# KiCad board totem_0_3.kicad_pcb
title: TOTEM split keyboard; date: 2022-11-03; rev: 0.3; note: Made by GEIST
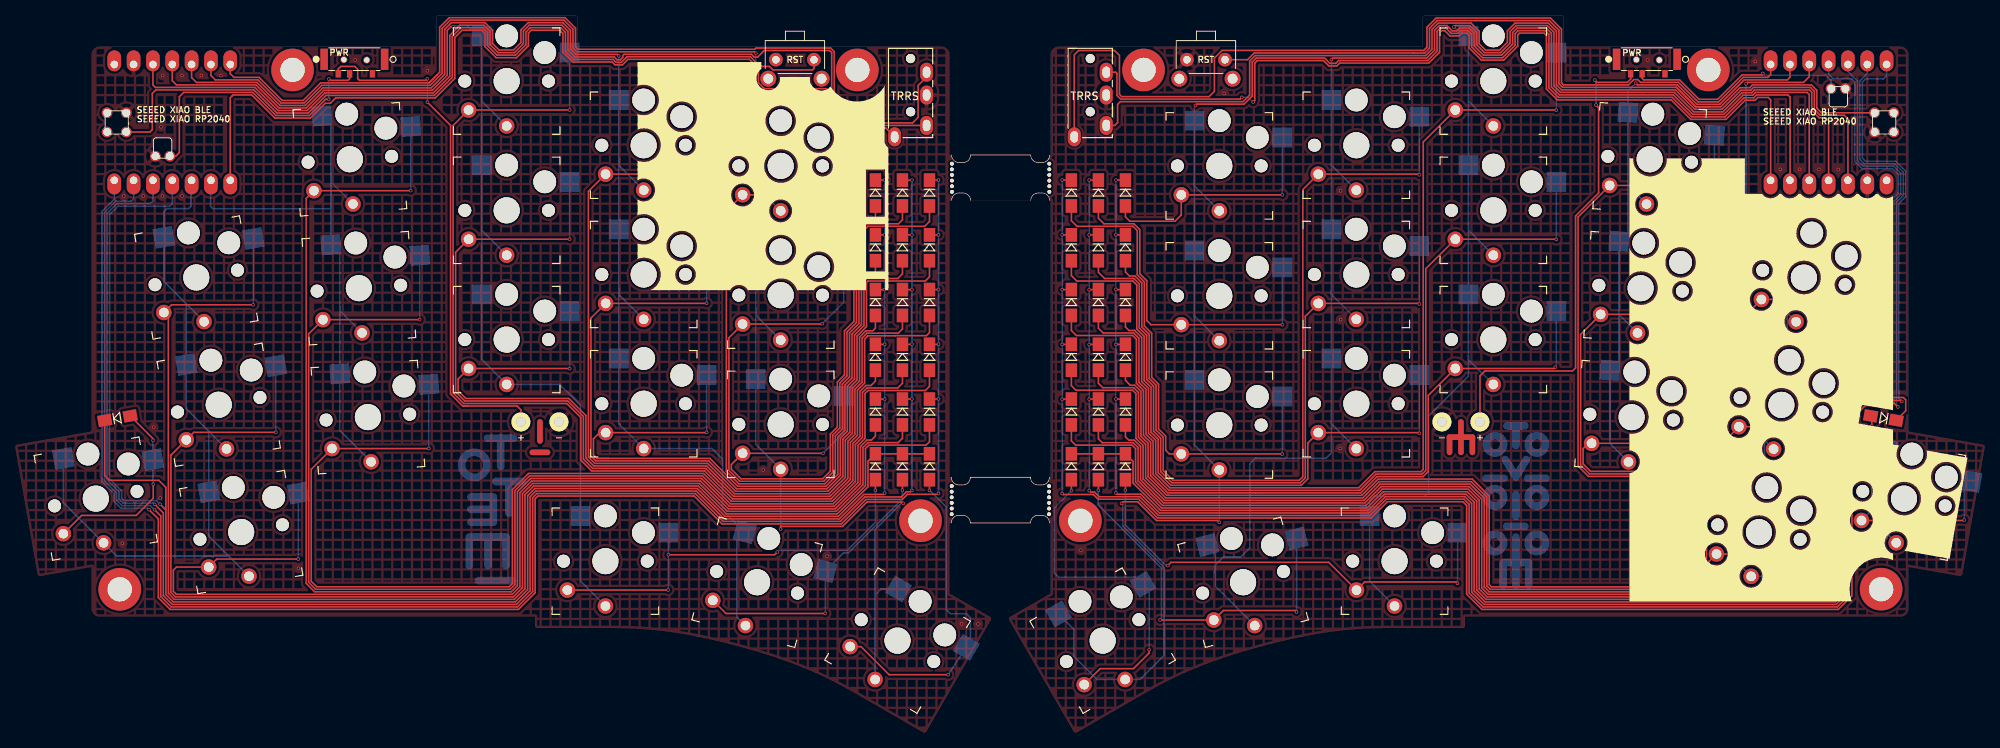
[diagram p0: board, top side]
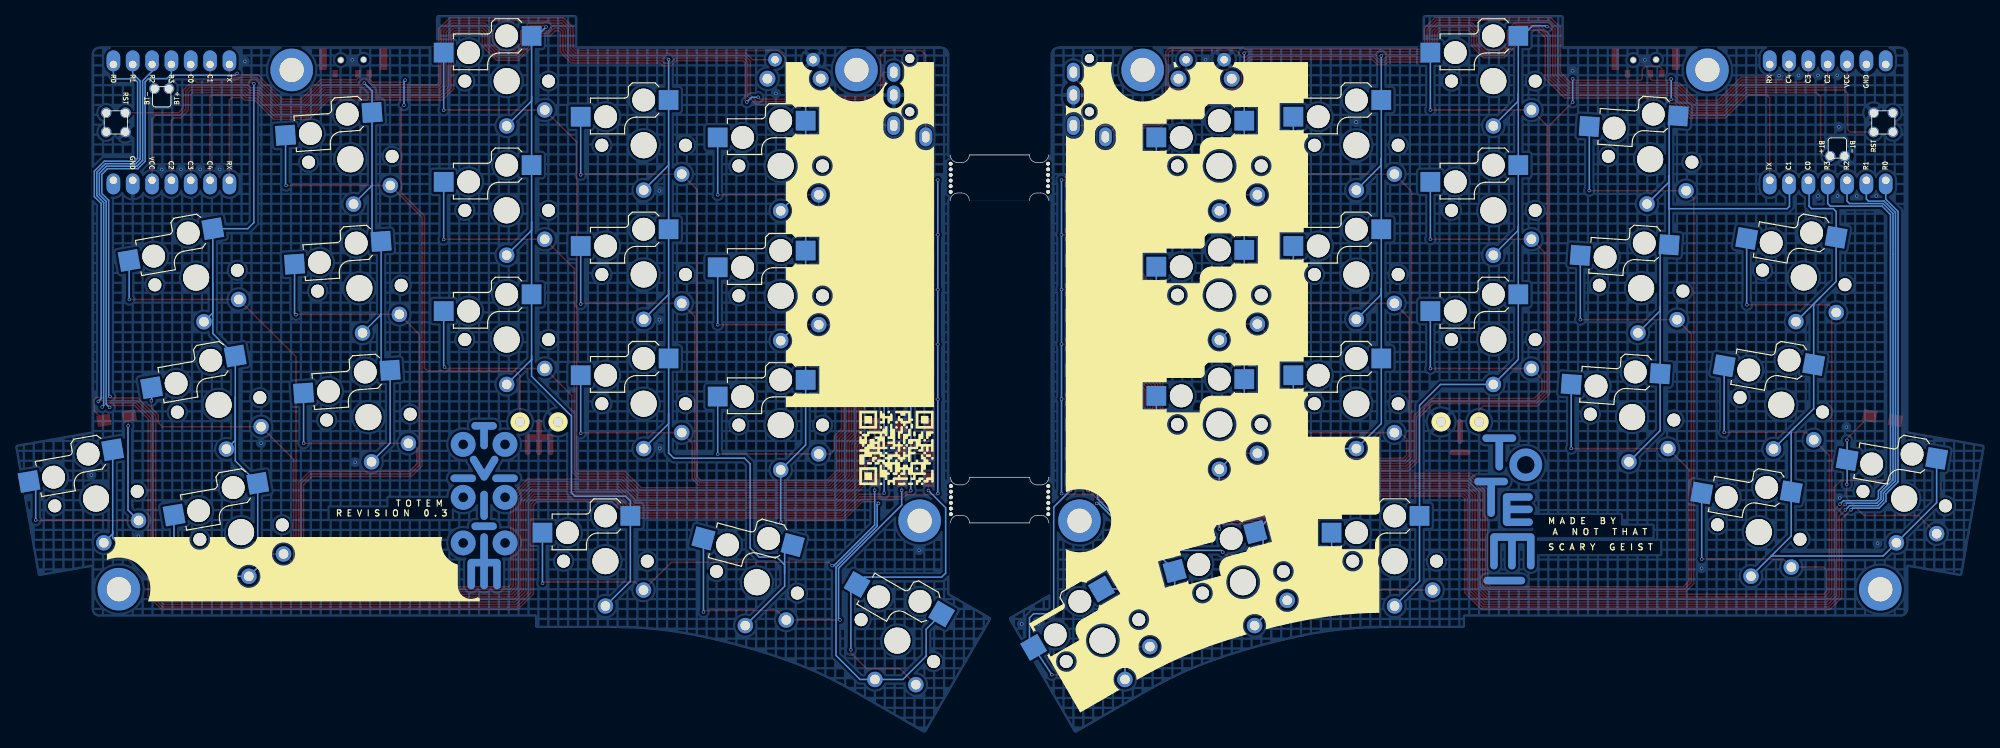
[diagram p1: board, bottom side, seen from below]

Outline 258.75 x 94.39 mm; copper layers: Top, Bottom. Coordinates in mm from the lower left corner of the outline.
Outline path: 122.98,33.61 122.7,33.61 122.7,70.01 123.01,70.01 ; 122.71,76.01 123.01,76.01 ; 122.98,27.61 122.7,27.61 ; 125.48,27.61 133.38,27.61 ; 125.48,33.61 133.38,33.61 ; 125.51,76.01 133.41,76.01 ; 133.41,70.01 125.51,70.01 ; 135.88,27.61 136.05,27.61 ; 135.88,33.61 136.06,33.61 136.06,70.01 135.91,70.01 ; 135.91,76.01 136.06,76.01
Stack: Top 0.035mm / dielectric 1.51mm FR4 er 4.5 / Bottom 0.035mm

## Placement (name value [footprint] x y rotation side)
BAT+1  +  [BatteryPad]  66.43 40.89 0 top
BAT+2  +  [BatteryPad]  192.43 40.89 0 top
BATGND1  -  [BatteryPad]  71.43 40.89 0 top
BATGND2  -  [BatteryPad]  187.43 40.89 0 top
DL1  D_Small  [Diode_SOD123]  120.11 42.2 270 top
DL2  D_Small  [Diode_SOD123]  120.11 49.4 270 top
DL3  D_Small  [Diode_SOD123]  120.11 56.6 270 top
DL4  D_Small  [Diode_SOD123]  120.11 63.8 270 top
DL5  D_Small  [Diode_SOD123]  120.11 71 270 top
DL6  D_Small  [Diode_SOD123]  116.56 42.2 270 top
DL7  D_Small  [Diode_SOD123]  116.56 49.4 270 top
DL8  D_Small  [Diode_SOD123]  116.56 56.59 270 top
DL9  D_Small  [Diode_SOD123]  116.56 63.8 270 top
DL10  D_Small  [Diode_SOD123]  116.56 71 270 top
DL11  D_Small  [Diode_SOD123]  113.01 42.2 270 top
DL12  D_Small  [Diode_SOD123]  113.01 49.4 270 top
DL13  D_Small  [Diode_SOD123]  113.01 56.59 270 top
DL14  D_Small  [Diode_SOD123]  113.01 63.8 270 top
DL15  D_Small  [Diode_SOD123]  113.01 71 270 top
DL16  D_Small  [Diode_SOD123]  13.43 41.39 10 top
DL17  D_Small  [Diode_SOD123]  113.01 35 270 top
DL18  D_Small  [Diode_SOD123]  116.56 35 270 top
DL19  D_Small  [Diode_SOD123]  120.11 35 270 top
DR1  D_Small  [Diode_SOD123]  145.86 42.2 270 top
DR2  D_Small  [Diode_SOD123]  145.86 49.4 270 top
DR3  D_Small  [Diode_SOD123]  145.86 56.59 270 top
DR4  D_Small  [Diode_SOD123]  145.86 63.8 270 top
DR5  D_Small  [Diode_SOD123]  145.86 71 270 top
DR6  D_Small  [Diode_SOD123]  142.31 42.2 270 top
DR7  D_Small  [Diode_SOD123]  142.31 49.4 270 top
DR8  D_Small  [Diode_SOD123]  142.31 56.59 270 top
DR9  D_Small  [Diode_SOD123]  142.31 63.8 270 top
DR10  D_Small  [Diode_SOD123]  142.31 71 270 top
DR11  D_Small  [Diode_SOD123]  138.76 42.2 270 top
DR12  D_Small  [Diode_SOD123]  138.76 49.4 270 top
DR13  D_Small  [Diode_SOD123]  138.76 56.59 270 top
DR14  D_Small  [Diode_SOD123]  138.76 63.8 270 top
DR15  D_Small  [Diode_SOD123]  138.76 71 270 top
DR16  D_Small  [Diode_SOD123]  245.43 41.39 170 top
DR17  D_Small  [Diode_SOD123]  145.86 35 270 top
DR18  D_Small  [Diode_SOD123]  142.31 35 270 top
DR19  D_Small  [Diode_SOD123]  138.76 35 270 top
J1  MJ-4PP-9  [MJ-4PP-9_1side]  117.63 90.19 0 top
J2  MJ-4PP-9  [MJ-4PP-9_1side]  141.23 90.19 0 top
PWR  SW_SPDT  [MSK12C02]  48.43 89.89 270 top
PWR#2  SW_SPDT  [MSK12C02]  218.23 89.89 270 top
REF**  mousebites 2mm  [mousebites_2.5mm]  135.88 30.61 0 top
REF**#2  -  [MountingHole_3.2mm_M3_DIN965_Pad]  118.93 27.89 0 top
REF**#3  -  [MountingHole_3.2mm_M3_DIN965_Pad]  13.73 18.88 0 top
REF**#4  -  [MountingHole_3.2mm_M3_DIN965_Pad]  245.13 18.89 0 top
REF**#5  -  [MountingHole_3.2mm_M3_DIN965_Pad]  222.43 87.19 0 top
REF**#6  -  [MountingHole_3.2mm_M3_DIN965_Pad]  36.43 87.19 0 top
REF**#7  mousebites 2mm  [mousebites_2.5mm]  122.98 30.61 180 top
REF**#8  mousebites 2mm  [mousebites_2.5mm]  135.91 73.01 0 top
REF**#9  -  [MountingHole_3.2mm_M3_DIN965_Pad]  139.93 27.89 0 top
REF**#10  -  [MountingHole_3.2mm_M3_DIN965_Pad]  110.63 87.19 0 top
REF**#11  mousebites 2mm  [mousebites_2.5mm]  123.01 73.01 180 top
REF**#12  -  [MountingHole_3.2mm_M3_DIN965_Pad]  148.23 87.19 0 top
RST  SW_Push  [SKHLLCA010]  156.43 87.29 0 top
RSW1  SW_Push  [SKHLLCA010]  102.43 87.29 0 top
SWL1  SW_Push_45deg  [Kailh_socket_PG1350_optional]  23.78 59.89 10 top
SWL2  SW_Push_45deg  [Kailh_socket_PG1350_optional]  43.96 75.45 4 top
SWL3  SW_Push_45deg  [Kailh_socket_PG1350_optional]  64.56 85.72 0 top
SWL4  SW_Push_45deg  [Kailh_socket_PG1350_optional]  82.56 77.29 0 top
SWL5  SW_Push_45deg  [Kailh_socket_PG1350_optional]  100.56 74.57 0 top
SWL6  SW_Push_45deg  [Kailh_socket_PG1350_optional]  26.74 43.15 10 top
SWL7  SW_Push_45deg  [Kailh_socket_PG1350_optional]  45.15 58.49 4 top
SWL8  SW_Push_45deg  [Kailh_socket_PG1350_optional]  64.56 68.72 0 top
SWL9  SW_Push_45deg  [Kailh_socket_PG1350_optional]  82.56 60.29 0 top
SWL10  SW_Push_45deg  [Kailh_socket_PG1350_optional]  100.56 57.57 0 top
SWL11  SW_Push_45deg  [Kailh_socket_PG1350_optional]  29.69 26.41 10 top
SWL12  SW_Push_45deg  [Kailh_socket_PG1350_optional]  46.34 41.53 4 top
SWL13  SW_Push_45deg  [Kailh_socket_PG1350_optional]  64.56 51.72 0 top
SWL14  SW_Push_45deg  [Kailh_socket_PG1350_optional]  82.56 43.29 0 top
SWL15  SW_Push_45deg  [Kailh_socket_PG1350_optional]  100.56 40.57 0 top
SWL16  SW_Push_45deg  [Kailh_socket_PG1350_optional]  10.59 30.8 10 top
SWL17  SW_Push_45deg  [Kailh_socket_PG1350_optional]  77.54 22.58 0 top
SWL18  SW_Push_45deg  [Kailh_socket_PG1350_optional]  97.46 19.8 345 top
SWL19  SW_Push_45deg  [Kailh_socket_PG1350_optional]  115.91 12.13 330 top
SWR1  SW_Push_45deg  [Kailh_socket_PG1350_optional]  234.99 59.88 350 top
SWR2  SW_Push_45deg  [Kailh_socket_PG1350_optional]  214.72 75.44 356 top
SWR3  SW_Push_45deg  [Kailh_socket_PG1350_optional]  194.19 85.72 0 top
SWR4  SW_Push_45deg  [Kailh_socket_PG1350_optional]  176.19 77.29 0 top
SWR5  SW_Push_45deg  [Kailh_socket_PG1350_optional]  158.19 74.57 0 top
SWR6  SW_Push_45deg  [Kailh_socket_PG1350_optional]  232.03 43.14 350 top
SWR7  SW_Push_45deg  [Kailh_socket_PG1350_optional]  213.54 58.48 356 top
SWR8  SW_Push_45deg  [Kailh_socket_PG1350_optional]  194.19 68.72 0 top
SWR9  SW_Push_45deg  [Kailh_socket_PG1350_optional]  176.19 60.29 0 top
SWR10  SW_Push_45deg  [Kailh_socket_PG1350_optional]  158.19 57.48 0 top
SWR11  SW_Push_45deg  [Kailh_socket_PG1350_optional]  229.08 26.39 350 top
SWR12  SW_Push_45deg  [Kailh_socket_PG1350_optional]  212.35 41.52 356 top
SWR13  SW_Push_45deg  [Kailh_socket_PG1350_optional]  194.19 51.72 0 top
SWR14  SW_Push_45deg  [Kailh_socket_PG1350_optional]  176.19 43.29 0 top
SWR15  SW_Push_45deg  [Kailh_socket_PG1350_optional]  158.19 40.48 0 top
SWR16  SW_Push_45deg  [Kailh_socket_PG1350_optional]  248.14 30.8 350 top
SWR17  SW_Push_45deg  [Kailh_socket_PG1350_optional]  181.21 22.58 0 top
SWR18  SW_Push_45deg  [Kailh_socket_PG1350_optional]  161.31 19.8 15 top
SWR19  SW_Push_45deg  [Kailh_socket_PG1350_optional]  142.86 12.13 30 top
U1  xiao-ble  [xiao-ble-smd-cutout]  20.63 80.29 90 top
U2  xiao-ble  [xiao-ble-smd-cutout]  238.23 80.29 270 top

## Library data of the parts
BAT+1 BAT+2 BATGND1 BATGND2 = -: ki_fp_filters: MountingHole*Pad*
DL1-DL19 DR1-DR19 = -: ki_fp_filters: TO-???* *_Diode_* *SingleDiode* D_*

## Footprints (pads in the part's own frame, mm; a bottom-side part is the same pattern mirrored in y, then rotated)
BatteryPad
  round 2.5 hole 1.25: 1(0,0)
Diode_SOD123
  rect 1.8x1.5 smd: 1(-1.7,0) 2(1.7,0)
Kailh_socket_PG1350_optional
  round 1.702 hole 1.702 unplated: (-5.5,0) (5.5,0)
  round 3 hole 3 unplated: (0,5.95) (5,3.75)
  round 3.429 hole 3.429 unplated: (0,0)
  rect 2.6x2.6 smd far side: 1(-3.275,5.95) 2(8.275,3.75)
  round 2.032 hole 1.27: 1(0,-5.9) 2(-5,-3.8)
MJ-4PP-9_1side
  round 1.2 hole 1.2 unplated: (0,-1.5) (0,-8.5)
  oval 1.7x2.5 hole 1x1.5: A(-2.1,-11.8) B(2.1,-3.3) C(2.1,-6.3) D(2.1,-10.3)
MountingHole_3.2mm_M3_DIN965_Pad
  round 5.6 hole 3.2: 1(0,0)
mousebites_2.5mm
  round 0.5 hole 0.5 unplated: (-0.05,1.85) (-0.05,1.11) (-0.05,0.37) (-0.05,-0.37) (-0.05,-1.11) (-0.05,-1.85)
MSK12C02
  round 0.9 hole 0.7 unplated: (1.35,-5.25) (1.4,-2.25)
  rect 1x0.7 smd: 1(3.2,-1.5) 2(3.2,-4.5) 3(3.2,-6)
  rect 2.8x1 smd: NC(1.3,0.1) NC(1.3,-7.85)
SKHLLCA010
  round 1.8 hole 1: 1(2.5,1.25) 2(-2.5,1.25)
  round 2.1 hole 1.3: MP(-3.5,-1.25) MP(3.5,-1.25)
xiao-ble-smd-cutout
  oval 2.75x1.8 hole 1: 1(-7.62,7.62) 2(-7.62,5.08) 3(-7.62,2.54) 4(-7.62,0) 5(-7.62,-2.54) 6(-7.62,-5.08) 7(-7.62,-7.62) 8(7.62,-7.62) 9(7.62,-5.08) 10(7.62,-2.54) 11(7.62,0) 12(7.62,2.54) 13(7.62,5.08) 14(7.62,7.62)
  round 1.397 hole 1.016: 15(-1.27,8.572) 16(1.27,8.572) 17(-1.27,6.032) 18(1.27,6.032) 19(-4.445,0.317) 20(-4.445,2.222)

## Nets
GND_L: BATGND1.1 J1.C RSW1.2 U1.13 U1.18 U1.20
GND_R: BATGND2.1 J2.C RST.2 U2.13 U2.18 U2.20
VBAT_L: BAT+1.1 PWR.3
VBAT_R: BAT+2.1 PWR#2.3
VCC_L: J1.D U1.12
VCC_R: J2.D U2.12
BAT+_L: PWR.2 U1.19
BAT+_R: PWR#2.2 U2.19
COL0_L: SWL1.1 SWL6.1 SWL11.1 SWL16.1 U1.5
COL0_R: SWR1.1 SWR6.1 SWR11.1 SWR16.1 U2.5
COL1_L: SWL2.1 SWL7.1 SWL12.1 U1.6
COL1_R: SWR2.1 SWR7.1 SWR12.1 U2.6
COL2_L: SWL3.1 SWL8.1 SWL13.1 SWL17.1 U1.11
COL2_R: SWR3.1 SWR8.1 SWR13.1 SWR17.1 U2.11
COL3_L: SWL4.1 SWL9.1 SWL14.1 SWL18.1 U1.10
COL3_R: SWR4.1 SWR9.1 SWR14.1 SWR18.1 U2.10
COL4_L: SWL5.1 SWL10.1 SWL15.1 SWL19.1 U1.9
COL4_R: SWR5.1 SWR10.1 SWR15.1 SWR19.1 U2.9
RESET_L: RSW1.1 U1.17
RESET_R: RST.1 U2.17
ROW0_L: DL1.1 DL2.1 DL3.1 DL4.1 DL5.1 U1.1
ROW0_R: DR1.1 DR2.1 DR3.1 DR4.1 DR5.1 U2.1
ROW1_L: DL6.1 DL7.1 DL8.1 DL9.1 DL10.1 U1.2
ROW1_R: DR6.1 DR7.1 DR8.1 DR9.1 DR10.1 U2.2
ROW2_L: DL11.1 DL12.1 DL13.1 DL14.1 DL15.1 U1.3
ROW2_R: DR11.1 DR12.1 DR13.1 DR14.1 DR15.1 U2.3
ROW3_L: DL16.1 DL17.1 DL18.1 DL19.1 U1.4
ROW3_R: DR16.1 DR17.1 DR18.1 DR19.1 U2.4
RX_L: J1.B U1.8
RX_R: J2.B U2.8
TX_L: J1.A U1.7
TX_R: J2.A U2.7
Net-(DL1-Pad2): DL1.2 SWL1.2
Net-(DL2-Pad2): DL2.2 SWL2.2
Net-(DL3-Pad2): DL3.2 SWL3.2
Net-(DL4-Pad2): DL4.2 SWL4.2
Net-(DL5-Pad2): DL5.2 SWL5.2
Net-(DL6-Pad2): DL6.2 SWL6.2
Net-(DL7-Pad2): DL7.2 SWL7.2
Net-(DL8-Pad2): DL8.2 SWL8.2
Net-(DL9-Pad2): DL9.2 SWL9.2
Net-(DL10-Pad2): DL10.2 SWL10.2
Net-(DL11-Pad2): DL11.2 SWL11.2
Net-(DL12-Pad2): DL12.2 SWL12.2
Net-(DL13-Pad2): DL13.2 SWL13.2
Net-(DL14-Pad2): DL14.2 SWL14.2
Net-(DL15-Pad2): DL15.2 SWL15.2
Net-(DL16-Pad2): DL16.2 SWL16.2
Net-(DL17-Pad2): DL17.2 SWL17.2
Net-(DL18-Pad2): DL18.2 SWL18.2
Net-(DL19-Pad2): DL19.2 SWL19.2
Net-(DR1-Pad2): DR1.2 SWR1.2
Net-(DR2-Pad2): DR2.2 SWR2.2
Net-(DR3-Pad2): DR3.2 SWR3.2
Net-(DR4-Pad2): DR4.2 SWR4.2
Net-(DR5-Pad2): DR5.2 SWR5.2
Net-(DR6-Pad2): DR6.2 SWR6.2
Net-(DR7-Pad2): DR7.2 SWR7.2
Net-(DR8-Pad2): DR8.2 SWR8.2
Net-(DR9-Pad2): DR9.2 SWR9.2
Net-(DR10-Pad2): DR10.2 SWR10.2
Net-(DR11-Pad2): DR11.2 SWR11.2
Net-(DR12-Pad2): DR12.2 SWR12.2
Net-(DR13-Pad2): DR13.2 SWR13.2
Net-(DR14-Pad2): DR14.2 SWR14.2
Net-(DR15-Pad2): DR15.2 SWR15.2
Net-(DR16-Pad2): DR16.2 SWR16.2
Net-(DR17-Pad2): DR17.2 SWR17.2
Net-(DR18-Pad2): DR18.2 SWR18.2
Net-(DR19-Pad2): DR19.2 SWR19.2

Pads without a net: PWR 1 NC; PWR#2 1 NC; REF**#2 1; REF**#3 1; REF**#4 1; REF**#5 1; REF**#6 1; REF**#9 1; REF**#10 1; REF**#12 1; RST MP; RSW1 MP; U1 14 15 16; U2 14 15 16

## Via types
v1: diameter 0.45, hole 0.3, Top to Bottom, 154 vias

## Routing (per net, layer and track width the routed paths; a pad name or vN(x,y) marks a point on that pad's centre or on a via; arc(x,y) is an arc through that point)
GND_L:
  vias: v1(14.08,24.93) v1(14.26,70.61) v1(16.82,70.61) v1(18.18,40.2) v1(19.06,30.89) v1(19.16,79.71) v1(19.37,86.47) v1(19.34,70.61) v1(21.91,86.47) v1(21.92,70.61) v1(24.46,86.47) v1(27.02,86.45) v1(37.2,21.64) v1(44.66,88.52) v1(54.15,87.08) v1(82.59,80.34) v1(82.59,80.34) v1(82.59,80.34) v1(98.27,34.55) v1(102.37,88.55) v1(102.37,85.99) v1(106.66,23.22) v1(124.32,14.33) v1(126.5,14.31)
GND_R:
  vias: v1(140,24.02) v1(158.82,84.1) v1(174.08,37.41) v1(174.12,71.29) v1(174.13,54.34) v1(214.09,35.59) v1(214.47,88.52) v1(226.46,38.1) v1(228.59,88.32) v1(231.9,74.11) v1(234.43,74.11) v1(236.97,74.11) v1(239.5,74.09) v1(242.57,25.85) v1(248.75,33.9)
VBAT_L: length 69
  Top w0.2: BAT+1.1 66.43,42.48 65.93,42.99 59.53,42.99 ; 59.53,42.99 58.93,42.99 ; 59.53,42.99 58.79,42.99 57.19,44.58 57.19,79.9 v1(54.14,82.95) ; PWR.3 42.43,87.32 42.77,87.65 44.62,87.65 44.99,87.28 44.99,86.05 45.22,85.82 53.94,85.82 v1(54.14,86.03)
  Bottom w0.2: v1(54.14,86.03) v1(54.14,82.95)
VBAT_R: length 64.1
  Top w0.2: v1(207.52,85.86) 207.52,85.78 207.74,85.56 211.8,85.56 212.23,85.99 PWR#2.3 ; v1(207.68,82.57) 208.02,82.23 208.02,71.01 204.99,67.98 204.99,48 204.58,47.59 193.07,47.59 192.43,46.95 BAT+2.1
  Bottom w0.2: v1(207.52,85.86) 207.68,85.7 v1(207.68,82.57)
VCC_L: length 131.8
  Top w0.2: J1.D 108.51,79.89 107.26,81.14 107.26,89.47 106.98,89.75 98.4,89.75 97.52,88.87 97.09,88.87 96.71,89.25 79.99,89.25 79.8,89.06 79.8,88.83 79.5,88.52 79.07,88.52 78.69,88.9 73.52,88.9 72.61,89.81 72.61,92.28 71.81,93.08 67.52,93.08 66.76,92.32 66.76,90.65 65.58,89.47 63.44,89.47 62.38,90.53 62.38,92.27 61.57,93.08 58.42,93.08 ; 58.43,93.08 57.09,91.74 57.09,86.35 54.91,84.17 40.68,84.17 38.36,81.86 34.52,81.86 31.48,84.89 18.41,84.89 18.09,85.21 U1.12
VCC_R: length 135.5
  Top w0.2: J2.D 144.45,79.89 144.82,80.26 144.82,82.66 145.19,83.02 161.3,83.02 162.17,83.89 162.17,88.36 162.9,89.09 185.29,89.09 186.13,89.93 186.13,92.54 186.95,93.36 191.25,93.36 192.33,92.28 192.33,90.64 193.17,89.8 195,89.8 196.04,90.84 196.04,92.36 197.04,93.36 201.41,93.36 202.48,92.29 202.48,85.23 203.14,84.57 218.1,84.57 220.67,82.01 224.2,82.01 226.72,84.53 227.99,84.53 228.36,84.89 235.84,84.89 236.35,84.38 236.35,82 237.12,81.23 240.27,81.23 240.77,80.73 240.77,71.72
BAT+_L: length 37
  Top w0.2: PWR.2 43.93,86.04 43.71,85.82 41.45,85.82 41.27,86 v1(41.19,86) ; U1.19 21.08,75.85 21.56,76.33 21.56,83.67 22.12,84.23 31.21,84.23 34.25,81.2 38.64,81.2 40.77,83.33 v1(41.19,83.33)
  Bottom w0.2: v1(41.19,83.33) v1(41.19,86)
BAT+_R: length 29.5
  Top w0.2: v1(229.59,86.73) 229.59,86.6 229.53,86.54 226.87,86.54 223.65,83.33 221.21,83.33 218.65,85.89 213.93,85.89 213.73,86.09 PWR#2.2
  Bottom w0.2: v1(229.59,86.73) 229.83,86.5 237.91,86.5 238.55,85.86 U2.19
COL0_L: length 98.7
  Bottom w0.2: SWL11.1 28.04,23.27 ; 28.04,23.27 25.43,25.88 SWL11.1 25.43,39.67 24.92,40.18 ; 28.04,23.27 28.03,23.26 13.34,23.26 SWL16.1 6.33,30.28 SWL16.1 ; 23.08,72.58 23.08,69.27 22.77,68.95 19.91,68.95 19.52,68.57 SWL1.1 19.52,59.37 21.63,57.26 ; 21.63,57.26 22.48,56.42 SWL6.1 22.48,42.63 24.92,40.18 ; 21.63,57.26 SWL1.1 ; SWL6.1 24.92,40.18
COL0_R: length 129.3
  Top w0.2: U2.5 235.69,86.31 234.93,85.55 227.57,85.55 v1(227.39,85.38)
  Bottom w0.2: SWR1.1 232.79,55.23 232.79,59.14 ; 245.94,26.43 245.94,26.16 SWR16.1 ; 245.94,26.43 SWR16.1 ; 245.94,26.43 245.94,25.63 240.9,20.58 SWR11.1 226.89,21.75 SWR11.1 229.84,35.77 229.84,44.12 ; 229.84,44.12 229.84,38.49 SWR6.1 ; 229.84,44.12 SWR6.1 232.79,52.52 232.79,59.14 ; v1(227.39,85.38) 227.39,67.11 228.2,66.31 SWR1.1 232.79,59.14
COL1_L: length 81.4
  Bottom w0.2: 41.47,73.29 41.47,68.94 25.96,68.94 25.66,69.24 25.66,72.62 ; 41.47,73.29 41.47,79.97 SWL2.1 ; 41.47,73.29 41.47,72.47 SWL2.1 ; 41.47,73.29 SWL7.1 42.65,63.01 42.65,56.03 ; SWL7.1 42.65,55.51 42.65,56.03 ; 42.65,56.03 SWL12.1 42.65,39.74 SWL12.1
COL1_R: length 84
  Top w0.2: v1(212.89,85.45) 213.11,85.23 218.37,85.23 220.94,82.67 223.93,82.67 227.14,85.88 232.81,85.88 233.15,86.22 U2.6
  Bottom w0.2: SWR12.1 209.5,38.08 SWR12.1 210.68,48.87 210.68,55.09 ; SWR2.1 211.87,71.99 211.87,72.24 ; SWR7.1 210.68,55.03 210.68,55.09 ; v1(212.89,85.45) 211.87,84.43 SWR2.1 211.87,72.24 ; 210.68,55.09 SWR7.1 211.87,65.83 211.87,72.24
COL2_L: length 148.7
  Top w0.2: U1.11 20.63,85.77 21.18,85.22 31.62,85.22 34.66,82.19 38.23,82.19 40.54,84.5 54.77,84.5 56.76,86.49 56.76,92.41 57.24,92.89 v1(57.51,92.89)
  Bottom w0.2: 61.29,84.05 61.29,83.1 SWL3.1 ; 61.29,84.05 SWL8.1 61.29,66.55 ; 61.29,84.05 SWL3.1 ; 61.29,66.55 61.29,66.1 SWL8.1 ; 61.29,66.55 SWL13.1 61.29,49.1 SWL13.1 71.5,45.82 74.26,43.07 SWL17.1 74.26,19.95 SWL17.1 ; 60.75,91.67 59.44,92.99 57.61,92.99 v1(57.51,92.89)
COL2_R: length 179.2
  Top w0.2: v1(189.01,92.85) 189.18,93.03 191.12,93.03 191.99,92.16 191.99,90.51 193.03,89.47 195.13,89.47 196.39,90.73 196.39,92.24 197.17,93.03 201.27,93.03 202.15,92.15 202.15,85.1 203,84.24 217.96,84.24 220.53,81.68 224.34,81.68 226.86,84.2 228.13,84.2 228.5,84.56 235.71,84.56 236.02,84.25 236.02,81.86 236.98,80.9 237.87,80.9 238.23,80.54 238.23,71.72
  Bottom w0.2: 190.91,49.54 SWR13.1 190.91,67.13 ; 190.91,49.54 190.91,49.1 SWR13.1 ; 190.91,49.54 190.91,46.9 185.68,41.67 185.68,31.58 185.23,31.13 178.55,31.13 177.94,30.52 SWR17.1 177.94,19.95 SWR17.1 ; 190.91,67.13 190.91,83.63 ; 190.91,67.13 190.91,66.1 SWR8.1 ; 190.91,83.63 SWR3.1 ; 190.91,83.63 190.91,83.1 SWR3.1 ; v1(189.01,92.85) 190.19,91.67
COL3_L: length 174.4
  Top w0.2: v1(79.28,89.04) 79.09,89.23 73.66,89.23 72.94,89.95 72.94,92.41 71.95,93.41 67.39,93.41 66.43,92.45 66.43,90.79 65.46,89.82 63.56,89.82 62.71,90.67 62.71,92.41 61.71,93.41 57.29,93.41 56.42,92.54 56.42,86.61 54.64,84.83 40.41,84.83 38.09,82.52 34.79,82.52 31.76,85.55 23.8,85.55 23.17,86.18 U1.10
  Bottom w0.2: 79.29,58.4 SWL9.1 79.29,75.51 ; 79.29,58.4 SWL14.1 79.29,40.66 SWL14.1 91.52,37.39 92.92,35.99 92.92,29.31 SWL18.1 94.79,25.35 94.79,15.24 SWL18.1 ; 79.29,58.4 79.29,57.66 SWL9.1 ; 79.29,75.51 SWL4.1 79.29,89.04 v1(79.28,89.04) ; 79.29,75.51 79.29,74.66 SWL4.1
COL3_R: length 202.8
  Top w0.2: U2.10 235.69,83.96 235.42,84.23 228.63,84.23 228.27,83.87 226.99,83.87 224.47,81.35 220.39,81.35 217.83,83.91 202.87,83.91 201.82,84.96 201.82,92.01 201.13,92.7 197.31,92.7 196.72,92.11 196.72,90.59 195.27,89.14 192.89,89.14 191.66,90.37 191.66,92.02 190.98,92.7 189.75,92.7 189.38,92.33 188.79,92.33 188.41,92.72 188.1,93.03 187.08,93.03 186.46,92.4 186.46,89.79 185.43,88.76 173.11,88.76 v1(172.91,88.56)
  Bottom w0.2: 172.91,41.93 SWR14.1 172.91,58.18 ; 172.91,41.93 172.91,40.66 SWR14.1 ; 172.91,41.93 172.91,36.81 172.22,36.12 162.93,36.12 162.2,35.39 162.2,24.31 161.01,23.12 158.69,23.12 157.67,22.1 157.67,21 ; SWR4.1 172.91,74.66 172.91,75.1 ; SWR18.1 157.67,19.27 157.67,21 ; 172.91,58.18 172.91,75.1 ; 172.91,58.18 172.91,57.66 SWR9.1 ; 157.67,21 157.67,23.64 SWR18.1 ; 172.91,75.1 SWR4.1 172.91,88.56 v1(172.91,88.56)
COL4_L: length 216.9
  Top w0.2: v1(116.67,30.18) 116.48,30.36 111.89,30.36 108.68,27.15 100.59,27.15 100.55,27.11 v1(100.55,26.8) ; v1(97.31,89.39) 97.12,89.58 73.78,89.58 73.27,90.08 73.27,92.55 72.09,93.74 57.15,93.74 56.09,92.67 56.09,86.75 54.5,85.16 40.27,85.16 37.95,82.85 34.93,82.85 31.9,85.88 26.29,85.88 25.71,86.46 U1.9
  Bottom w0.2: SWL10.1 97.29,54.94 97.29,55.86 ; 97.29,55.86 SWL10.1 97.29,72.67 ; 97.29,55.86 SWL15.1 97.29,37.94 SWL15.1 100.56,27.22 100.55,27.21 v1(100.55,26.8) ; 112.96,23.05 112.96,18.13 113.75,18.92 SWL19.1 ; 97.29,72.67 97.29,71.94 SWL5.1 ; 97.29,72.67 SWL5.1 97.29,89.37 v1(97.31,89.39) ; 112.96,21.3 112.96,26.71 116.43,30.18 v1(116.67,30.18) ; 112.96,21.3 SWL19.1 ; 112.96,21.3 112.96,26.51
COL4_R: length 237.2
  Top w0.2: v1(158.18,27.68) 157.94,27.93 149.92,27.93 147.46,30.39 145.56,30.39 v1(145.34,30.18) ; v1(155.05,82.52) 155.22,82.69 161.44,82.69 162.52,83.77 162.52,88.23 163.04,88.76 172.01,88.76 172.71,88.06 173.5,88.06 173.87,88.43 185.56,88.43 186.79,89.65 186.79,92.27 187.22,92.7 187.96,92.7 188.46,92.2 188.46,92.2 188.66,92 189.52,92 189.88,92.37 190.84,92.37 191.33,91.88 191.33,90.24 192.76,88.81 195.41,88.81 197.05,90.45 197.05,91.97 197.45,92.37 201,92.37 201.49,91.88 201.49,84.82 202.73,83.58 217.69,83.58 220.26,81.02 224.61,81.02 227.13,83.54 228.4,83.54 228.77,83.9 232.89,83.9 233.17,83.62 233.17,72.69
  Bottom w0.2: SWR10.1 154.91,54.86 154.91,55.15 ; 154.91,55.15 154.91,72.77 ; 154.91,55.15 SWR15.1 154.91,37.86 SWR15.1 158.19,27.69 v1(158.18,27.68) ; SWR5.1 154.91,71.94 154.91,72.77 ; 154.91,72.77 SWR5.1 154.91,82.38 v1(155.05,82.52) ; v1(145.34,30.18) 145.51,30.01 145.51,27.19 150.92,21.79 150.92,10.18 147.76,7.02 SWR19.1 142.13,7.02 139.09,10.06 139.09,13.61 SWR19.1
RESET_L: length 115
  Top w0.2: RSW1.1 104.93,87.39 104.74,87.2 99.54,87.2 99.09,87.65 97.85,87.65 96.58,88.92 80.36,88.92 79.63,88.19 78.93,88.19 78.55,88.57 73.39,88.57 72.28,89.67 72.28,92.14 71.68,92.75 67.66,92.75 67.09,92.18 67.09,90.51 65.72,89.14 63.3,89.14 62.05,90.39 62.05,92.13 61.43,92.75 58.56,92.75 57.42,91.6 57.42,86.21 55.05,83.84 40.82,83.84 38.5,81.53 34.38,81.53 31.35,84.56 18.46,84.56 18.01,84.11 18.01,79.34 17.69,79.02 U1.17
RESET_R: length 107.3
  Top w0.2: 218.24,84.9 203.28,84.9 202.81,85.37 202.81,92.42 201.54,93.69 186.81,93.69 185.8,92.68 185.8,90.06 185.15,89.42 183.7,89.42 183.69,89.43 162.78,89.43 161.89,88.54 RST.1 ; 218.24,84.9 220.8,82.34 222.56,82.34 ; 218.24,84.9 220.8,82.34 222.56,82.34 ; 222.56,82.34 224.06,82.34 226.58,84.86 227.86,84.86 228.22,85.22 235.98,85.22 236.68,84.52 236.68,82.17 237.29,81.56 U2.17
ROW0_L: length 227.7
  Top w0.2: DL5.1 121.29,72.7 v1(121.3,72.71) ; DL4.1 121.33,65.5 ; DL3.1 121.33,58.3 ; 121.33,43.9 120.12,43.9 ; DL2.1 121.31,51.1 ; v1(17.58,29.34) 18.8,28.13 18.8,17.78 20.35,16.23 66.11,16.23 68.31,18.42 68.31,30.78 68.66,31.14 89.2,31.14 92.86,27.48 108.37,27.48 108.54,27.48 111.76,30.69 116.53,30.69 117.21,31.37 121.19,31.37 v1(121.29,31.48)
  Bottom w0.2: v1(17.58,29.34) 17.37,29.55 13.9,29.55 12.98,30.47 12.98,31.42 11.4,33 11.4,68.59 13.01,70.2 U1.1 ; v1(121.3,72.71) v1(121.3,65.51) v1(121.3,58.31) v1(121.3,51.13) v1(121.3,43.91) 121.3,31.48 v1(121.29,31.48)
ROW0_R: length 242.4
  Top w0.2: DR5.1 144.62,72.7 v1(144.61,72.7) ; v1(247.84,43.58) 247.7,43.72 242.79,43.72 240.63,41.56 240.63,18.28 239.23,16.89 192.96,16.89 191.34,18.51 191.34,30.18 190.46,31.06 179.99,31.06 177.85,28.92 150.33,28.92 147.87,31.38 144.76,31.38 v1(144.59,31.55) ; DR1.1 144.61,43.9 v1(144.6,43.9) ; v1(144.6,65.51) 144.62,65.5 DR4.1 ; v1(144.6,51.08) 144.62,51.1 DR2.1 ; DR3.1 144.62,58.29 v1(144.6,58.31)
  Bottom w0.2: v1(247.84,43.58) 247.46,43.96 247.46,69.63 248.36,70.53 248.36,73.87 247.04,75.19 243.05,75.19 242.67,75.57 242.67,85.61 243.08,86.01 245.41,86.01 245.85,86.45 U2.1 ; v1(144.61,72.7) 144.6,72.69 v1(144.6,65.51) v1(144.6,58.31) v1(144.6,51.08) v1(144.6,43.9) 144.6,31.56 v1(144.59,31.55)
ROW1_L: length 225.7
  Top w0.2: DL8.1 117.8,58.29 v1(117.8,58.29) ; v1(117.8,43.92) 117.78,43.9 DL6.1 ; v1(117.8,72.69) 116.57,72.69 ; DL7.1 117.78,51.1 v1(117.8,51.12) ; v1(117.8,65.49) 117.8,65.5 DL9.1 ; v1(18.31,29.34) 19.13,28.52 19.13,17.92 20.49,16.56 65.97,16.56 67.98,18.56 67.98,30.92 68.53,31.47 89.34,31.47 93,27.81 108.41,27.81 111.62,31.02 116.4,31.02 117.08,31.7 117.62,31.7 v1(117.79,31.88)
  Bottom w0.2: U1.2 15.55,70.21 15.28,69.94 13.22,69.94 11.73,68.45 11.73,33.13 13.31,31.55 13.31,30.6 14.03,29.88 17.77,29.88 v1(18.31,29.34) ; v1(117.8,72.69) v1(117.8,65.49) v1(117.8,58.29) v1(117.8,51.12) v1(117.8,43.92) 117.8,31.89 v1(117.79,31.88)
ROW1_R: length 243.7
  Top w0.2: DR7.1 141.12,51.1 v1(141.09,51.07) ; DR8.1 141.11,58.29 v1(141.09,58.28) ; v1(141.09,72.7) 141.1,72.7 DR10.1 ; v1(247.33,42.86) 246.8,43.39 242.92,43.39 240.96,41.42 240.96,18.14 239.37,16.56 192.83,16.56 191.01,18.38 191.01,30.05 190.33,30.73 180.13,30.73 177.99,28.59 150.19,28.59 147.73,31.05 142.41,31.05 141.79,31.67 141.27,31.67 v1(141.09,31.85) ; DR9.1 141.1,65.5 v1(141.09,65.49) ; DR6.1 141.11,43.9 v1(141.09,43.88)
  Bottom w0.2: v1(141.09,72.7) v1(141.09,65.49) v1(141.09,58.28) v1(141.09,51.07) v1(141.09,43.88) v1(141.09,31.85) ; v1(247.33,42.86) 247.13,43.06 247.13,69.77 248.03,70.67 248.03,73.74 246.91,74.86 242.92,74.86 242.34,75.44 242.34,85.74 243.31,86.71 U2.2
ROW2_L: length 223.9
  Top w0.2: DL15.1 114.22,72.7 v1(114.22,72.7) ; DL13.1 114.22,58.29 v1(114.22,58.3) ; v1(114.22,51.11) 114.21,51.1 DL12.1 ; v1(114.22,65.49) 114.22,65.5 DL14.1 ; v1(114.22,43.89) 113.01,43.89 ; v1(114.22,31.53) 114.04,31.35 111.48,31.35 108.27,28.14 93.14,28.14 89.47,31.8 68.39,31.8 67.65,31.06 67.65,18.7 65.83,16.89 20.63,16.89 19.46,18.06 19.46,28.92 v1(18.33,30.04)
  Bottom w0.2: U1.3 18.09,69.95 17.75,69.61 13.36,69.61 12.06,68.31 12.06,62.94 12.06,33.27 13.64,31.69 13.64,30.74 14.17,30.21 18.16,30.21 v1(18.33,30.04) ; v1(114.22,31.53) 114.22,31.53 v1(114.22,43.89) v1(114.22,51.11) v1(114.22,58.3) v1(114.22,65.49) v1(114.22,72.7)
ROW2_R: length 246.8
  Top w0.2: v1(137.54,65.51) 137.56,65.5 DR14.1 ; DR13.1 137.55,58.29 v1(137.54,58.29) ; v1(246.35,42.8) 246.09,43.06 243.06,43.06 241.29,41.29 241.29,18.01 239.51,16.23 192.69,16.23 190.68,18.24 190.68,29.9 190.18,30.4 180.27,30.4 178.13,28.26 150.06,28.26 147.59,30.72 142.27,30.72 141.65,31.34 137.68,31.34 v1(137.54,31.48) ; DR15.1 137.56,72.7 v1(137.54,72.71) ; DR12.1 137.55,51.1 v1(137.54,51.09) ; v1(137.54,43.87) 137.57,43.9 DR11.1
  Bottom w0.2: v1(246.35,42.8) 246.8,43.26 246.8,69.91 247.7,70.81 247.7,73.6 246.77,74.53 242.78,74.53 242.01,75.3 242.01,85.76 240.77,87 U2.3 ; v1(137.54,72.71) v1(137.54,65.51) v1(137.54,58.29) v1(137.54,51.09) v1(137.54,43.87) 137.54,31.48 v1(137.54,31.48)
ROW3_L: length 207.4
  Top w0.2: DL19.1 DL17.1 112.03,35.72 112.03,32.36 108.13,28.47 93.27,28.47 89.61,32.13 68.25,32.13 67.32,31.19 67.32,18.83 65.7,17.22 20.77,17.22 19.79,18.2 19.79,32.29 18.86,33.21 12.39,33.21 11.76,33.85 DL16.1 ; v1(19.03,30.07) 19.79,29.31
  Bottom w0.2: v1(19.03,30.07) 18.56,30.54 14.31,30.54 13.97,30.88 13.97,31.83 12.39,33.41 12.39,68.18 13.5,69.28 20.3,69.28 20.63,69.62 U1.4
ROW3_R: length 208.3
  Top w0.2: DR16.1 248.36,42.35 248.36,43.8 248.06,44.1 246.44,44.1 v1(246.3,44.24) 246.11,44.05 242.65,44.05 240.3,41.7 240.3,41.13 240.3,41.33 240.3,18.42 239.1,17.22 193.1,17.22 191.67,18.65 191.67,19.91 191.67,30.32 190.6,31.39 179.86,31.39 177.72,29.25 150.47,29.25 146.85,32.86 146.85,35.7 DR17.1 DR19.1
  Bottom w0.2: U2.4 238.23,86.64 238.82,86.05 241.26,86.05 241.68,85.63 241.68,75.16 242.64,74.2 246.63,74.2 247.37,73.46 247.37,70.94 246.47,70.04 246.47,44.41 v1(246.3,44.24)
RX_L: length 120.8
  Top w0.2: 55.42,86.55 54.36,85.49 ; 55.42,86.55 55.76,86.89 55.76,92.81 57.02,94.07 72.22,94.07 73.61,92.68 73.61,90.22 73.91,89.91 97.18,89.91 97.35,90.08 107.12,90.08 107.59,89.6 107.59,81.27 108.64,80.23 117.89,80.23 118.62,80.95 118.62,85.15 119.73,86.27 ; 55.42,86.55 54.36,85.49 ; 54.36,85.49 40.13,85.49 37.82,83.18 35.07,83.18 32.03,86.21 28.74,86.21 28.25,86.7 U1.8
RX_R: length 125.9
  Top w0.2: 160.96,83.41 v1(161.14,83.59) 160.9,83.35 145.23,83.35 144.74,83.84 144.74,86.73 144.58,86.89 J2.B ; v1(162.64,82.96) 162.85,83.17 162.85,88.1 163.18,88.43 171.87,88.43 172.57,87.73 173.64,87.73 174,88.1 185.7,88.1 187.12,89.52 187.12,92.13 187.36,92.37 187.79,92.37 188.48,91.67 189.66,91.67 190.02,92.04 190.71,92.04 191,91.75 191,90.1 192.62,88.48 195.54,88.48 197.39,90.32 197.39,91.8 197.63,92.04 200.86,92.04 201.16,91.74 201.16,84.69 202.59,83.25 217.55,83.25 220.12,80.69 224.75,80.69 227.27,83.21 228.58,83.21 228.94,83.57 230.29,83.57 230.62,83.24 230.62,72.68
  Bottom w0.2: v1(161.14,83.59) 162.01,83.59 v1(162.64,82.96)
TX_L: length 123.4
  Top w0.2: J1.A 114.36,79.56 108.37,79.56 106.93,81 106.93,84.31 106.52,84.73 98.42,84.73 97.64,85.5 97.64,87.39 96.44,88.59 80.5,88.59 79.77,87.86 78.79,87.86 78.41,88.24 73.25,88.24 71.95,89.54 71.95,92 71.54,92.42 67.8,92.42 67.42,92.04 67.42,90.37 65.86,88.81 63.17,88.81 61.72,90.26 61.72,92 61.3,92.42 58.7,92.42 57.75,91.46 57.75,86.08 55.18,83.51 42.11,83.51 41.41,82.81 40.72,82.81 38.78,80.87 34.11,80.87 31.07,83.9 28.62,83.9 28.47,83.76 28.47,83.74 28.25,83.52 U1.7
TX_R: length 128.5
  Top w0.2: U2.7 230.61,86.57 230.25,86.21 227,86.21 223.79,83 221.08,83 218.51,85.56 213.52,85.56 213.16,85.92 212.63,85.92 211.94,85.23 203.41,85.23 203.14,85.51 203.14,92.57 201.69,94.02 186.67,94.02 185.47,92.81 185.47,90.2 185.02,89.75 184.69,89.75 184.68,89.76 158.55,89.76 157.54,88.75 157.54,84.38 156.85,83.68 145.37,83.68 145.07,83.98 145.07,89.1 144.42,89.75 139.7,89.75 139.13,89.18 J2.A
Net-(DL1-Pad2): length 181.5
  Top w0.2: 20.12,54.69 20.12,18.34 20.91,17.55 65.56,17.55 66.97,18.95 66.97,31.31 68.12,32.46 89.75,32.46 93.41,28.8 108,28.8 111.7,32.5 111.7,37.38 112.16,37.84 119.66,37.84 120.11,38.29 DL1.2 ; v1(31.26,56.3) 31.26,56.3 20.54,56.3 SWL1.2
  Bottom w0.2: SWL1.2 31.28,56.32 v1(31.26,56.3)
Net-(DL2-Pad2): length 185.5
  Top w0.2: DL2.2 120.11,45.58 119.56,45.03 112.03,45.03 111.63,44.63 111.63,38.72 110.71,37.79 110.71,32.91 107.59,29.79 93.82,29.79 90.16,33.45 67.71,33.45 65.97,31.72 65.97,19.36 65.16,18.55 39.33,18.55 38.22,19.65 38.22,70.29 SWL2.2 51.94,71.31 v1(51.96,71.33)
  Bottom w0.2: SWL2.2 51.96,71.33 v1(51.96,71.33)
Net-(DL3-Pad2): length 151.5
  Top w0.2: DL3.2 120.11,52.64 119.71,52.24 115.6,52.24 115.58,52.23 112.03,52.23 111.58,51.78 111.58,45.99 110.64,45.05 110.64,39.13 109.72,38.2 109.72,33.32 107.18,30.78 94.23,30.78 90.57,34.44 75.73,34.44 74.31,35.86 74.31,41.46 72.46,43.32 58.92,43.32 57.52,44.72 57.52,79.88 SWL3.2 72.83,81.92 v1(72.84,81.93)
  Bottom w0.2: v1(72.84,81.93) 72.84,81.93 SWL3.2
Net-(DL4-Pad2): length 132.6
  Top w0.2: v1(90.84,73.5) 90.82,73.49 SWL4.2 75.3,71.23 75.3,36.27 76.14,35.43 90.98,35.43 94.64,31.77 106.77,31.77 108.73,33.73 108.73,38.61 109.65,39.54 109.65,45.46 110.59,46.4 110.59,52.19 111.83,53.43 111.83,59.23 112.04,59.43 119.56,59.43 120.11,59.98 DL4.2
  Bottom w0.2: SWL4.2 90.84,73.5 v1(90.84,73.5)
Net-(DL5-Pad2): length 116.6
  Top w0.2: v1(106.03,70.79) 106.01,70.77 SWL5.2 93.42,68.63 93.42,34.39 95.06,32.76 106.36,32.76 107.74,34.14 107.74,39.02 108.66,39.95 108.66,45.87 109.6,46.81 109.6,52.6 110.84,53.84 110.84,59.64 111.66,60.45 111.66,66.26 112.03,66.63 119.48,66.63 120.11,67.26 DL5.2
  Bottom w0.2: SWL5.2 108.84,73.6 v1(106.03,70.79)
Net-(DL6-Pad2): length 161.7
  Top w0.2: v1(34.24,39.53) 23.46,39.53 SWL6.2 20.45,36.52 20.45,18.47 21.04,17.88 65.42,17.88 66.64,19.09 66.64,31.45 67.98,32.79 89.88,32.79 93.55,29.13 107.86,29.13 111.37,32.64 111.37,37.52 112.02,38.17 115.99,38.17 116.56,38.74 DL6.2
  Bottom w0.2: v1(34.24,39.53) 34.23,39.53 SWL6.2
Net-(DL7-Pad2): length 164.4
  Top w0.2: v1(53.14,54.35) 53.13,54.35 SWL7.2 38.55,52.48 38.55,19.79 39.46,18.88 65.03,18.88 65.64,19.5 65.64,31.86 67.57,33.78 90.29,33.78 93.96,30.12 107.45,30.12 110.38,33.05 110.38,37.93 111.3,38.85 111.3,44.77 111.89,45.36 115.93,45.36 116.56,45.98 DL7.2
  Bottom w0.2: SWL7.2 53.14,54.36 v1(53.14,54.35)
Net-(DL8-Pad2): length 129.9
  Top w0.2: v1(72.84,64.93) 72.83,64.92 SWL8.2 57.85,63.21 57.85,44.86 59.06,43.65 72.59,43.65 74.64,41.6 74.64,36 75.87,34.77 90.7,34.77 94.37,31.11 107.04,31.11 109.39,33.46 109.39,38.34 110.31,39.26 110.31,45.19 111.25,46.13 111.25,51.91 111.89,52.56 113.41,52.56 113.42,52.57 116.01,52.57 116.56,53.12 DL8.2
  Bottom w0.2: v1(72.84,64.93) 72.84,64.93 SWL8.2
Net-(DL9-Pad2): length 111
  Top w0.2: DL9.2 116.56,60.37 115.95,59.76 111.9,59.76 111.5,59.36 111.5,53.56 110.26,52.32 110.26,46.54 109.32,45.6 109.32,39.67 108.4,38.75 108.4,33.87 106.63,32.1 94.78,32.1 91.11,35.76 76.28,35.76 75.63,36.41 75.63,54.56 SWL9.2 90.82,56.49 v1(90.84,56.5)
  Bottom w0.2: v1(90.84,56.5) 90.84,56.5 SWL9.2
Net-(DL10-Pad2): length 95.1
  Top w0.2: v1(106.03,53.82) 105.98,53.77 SWL10.2 93.75,51.96 93.75,34.53 95.2,33.09 106.22,33.09 107.41,34.28 107.41,39.16 108.33,40.08 108.33,46.01 109.27,46.95 109.27,52.73 110.51,53.97 110.51,59.77 111.33,60.59 111.33,66.39 111.89,66.96 116.03,66.96 116.56,67.49 DL10.2
  Bottom w0.2: SWL10.2 108.84,56.62 v1(106.03,53.82)
Net-(DL11-Pad2): length 144.1
  Top w0.2: DL11.2 113.01,39.03 112.48,38.5 111.88,38.5 111.04,37.66 111.04,32.77 107.72,29.46 93.68,29.46 90.02,33.12 67.84,33.12 66.3,31.58 66.3,19.22 65.3,18.22 21.17,18.22 20.78,18.61 20.78,21.4 21.18,21.8 SWL11.2 26.48,22.85 v1(37.19,22.85)
  Bottom w0.2: v1(37.19,22.85) SWL11.2
Net-(DL12-Pad2): length 143.4
  Top w0.2: v1(54.34,37.4) 54.32,37.39 SWL12.2 38.88,34.66 38.88,19.92 39.6,19.21 64.89,19.21 65.31,19.63 65.31,31.99 67.43,34.11 90.43,34.11 94.09,30.45 107.31,30.45 110.05,33.18 110.05,38.07 110.97,38.99 110.97,44.9 111.76,45.69 112.43,45.69 113.01,46.26 DL12.2
  Bottom w0.2: v1(54.34,37.4) 54.33,37.41 SWL12.2
Net-(DL13-Pad2): length 108.5
  Top w0.2: DL13.2 113.01,53.24 112.66,52.89 111.76,52.89 110.92,52.05 110.92,46.27 109.98,45.33 109.98,39.4 109.06,38.48 109.06,33.59 106.9,31.44 94.5,31.44 90.84,35.1 76.01,35.1 74.97,36.14 74.97,41.74 72.73,43.98 59.2,43.98 58.18,44.99 58.18,46.54 SWL13.2 72.81,47.92 v1(72.84,47.9)
  Bottom w0.2: SWL13.2 72.84,47.9 v1(72.84,47.9)
Net-(DL14-Pad2): length 90.6
  Top w0.2: SWL14.2 90.79,39.49 v1(90.84,39.53) ; DL14.2 113.01,60.59 112.51,60.09 111.76,60.09 111.17,59.5 111.17,53.7 109.93,52.46 109.93,46.68 108.99,45.74 108.99,39.81 108.07,38.89 108.07,34 106.49,32.43 94.92,32.43 91.26,36.09 77.93,36.09 ; 76.42,36.09 75.96,36.55 75.96,38.67 76.78,39.49 ; 76.42,36.09 77.93,36.09 ; 76.42,36.09 77.93,36.09
  Bottom w0.2: SWL14.2 90.84,39.53 v1(90.84,39.53)
Net-(DL15-Pad2): length 73.7
  Top w0.2: v1(106.11,36.77) 106.11,36.77 SWL15.2 94.08,35.29 94.08,34.67 95.33,33.42 106.08,33.42 107.08,34.41 107.08,39.3 108,40.22 108,46.15 108.94,47.09 108.94,52.87 110.18,54.11 110.18,59.91 111,60.73 111,66.53 111.76,67.29 112.61,67.29 113.01,67.69 DL15.2
  Bottom w0.2: v1(106.11,36.77) 108.84,39.5 SWL15.2
Net-(DL16-Pad2): length 25.9
  Top w0.2: v1(18.11,38.48) 18.11,38.68 DL16.2 ; v1(18.13,32.69) 18.13,30.84 15.88,28.59 8.72,28.59 SWL16.2
  Bottom w0.2: v1(18.13,32.69) 18.08,32.74 SWL16.2 18.08,38.45 v1(18.11,38.48)
Net-(DL17-Pad2): length 55.4
  Top w0.2: v1(85.81,23.42) 99.76,23.42 v1(100.11,23.77) ; v1(85.78,18.79) 85.77,18.78 SWL17.2 ; DL17.2 113.01,31.89 v1(113.01,31.89)
  Bottom w0.2: v1(85.78,18.79) 85.81,18.82 v1(85.81,23.42) SWL17.2 ; v1(100.11,23.77) 100.33,23.99 109.31,23.99 113.01,27.69 v1(113.01,31.89)
Net-(DL18-Pad2): length 37.7
  Top w0.2: v1(106.41,15.72) 106.38,15.69 93.38,15.69 SWL18.2 ; v1(116.56,31.92) 116.56,31.92 DL18.2
  Bottom w0.2: v1(116.56,31.92) 116.56,30.78 109.44,23.66 108.8,23.66 SWL18.2 106.42,15.73 v1(106.41,15.72)
Net-(DL19-Pad2): length 43.7
  Top w0.2: SWL19.2 111.12,11.34 114.81,7.64 v1(122.56,7.64) ; DL19.2 120.11,31.89 v1(120.11,31.89)
  Bottom w0.2: v1(122.56,7.64) SWL19.2 ; v1(120.11,31.89) 122.32,29.68 122.32,16.2 122.85,15.67 124.96,15.67 125.5,15.13 125.5,11.78
Net-(DR1-Pad2): length 158.1
  Top w0.2: v1(243.76,57) 243.75,57 SWR1.2 221.86,49.46 221.86,19.33 220.74,18.21 220.2,18.21 193.51,18.21 192.66,19.06 192.66,20.01 192.66,30.73 191.01,32.38 179.45,32.38 177.31,30.24 150.88,30.24 147.84,33.27 147.84,37.66 147.01,38.49 146.29,38.49 145.86,38.93 DR1.2
  Bottom w0.2: SWR1.2 243.79,57.02 v1(243.76,57)
Net-(DR2-Pad2): length 190.9
  Top w0.2: DR2.2 145.86,46.35 146.48,45.72 147.07,45.72 147.89,44.9 147.89,39.01 148.83,38.07 148.83,33.68 151.28,31.24 151.55,31.24 151.56,31.23 176.9,31.23 179.04,33.37 191.42,33.37 193.65,31.14 193.65,19.49 193.93,19.2 220.33,19.2 220.87,19.74 220.87,32.63 219.77,33.73 206.68,33.73 205.32,35.09 205.32,67.85 SWR2.2 223.16,72 v1(223.16,72)
  Bottom w0.2: SWR2.2 223.24,72.07 v1(223.16,72)
Net-(DR3-Pad2): length 129.7
  Top w0.2: DR3.2 145.86,53.38 146.31,52.92 147.07,52.92 147.98,52.01 147.98,46.21 148.88,45.31 148.88,39.42 149.82,38.48 149.82,34.09 151.69,32.23 176.5,32.23 178.63,34.36 184.69,34.36 184.98,34.64 184.98,77.72 SWR3.2 202.43,81.92 v1(202.46,81.9)
  Bottom w0.2: SWR3.2 v1(202.46,81.9)
Net-(DR4-Pad2): length 110.7
  Top w0.2: v1(184.46,73.4) 184.37,73.49 SWR4.2 169.16,71.46 169.16,33.68 168.69,33.22 152.1,33.22 150.81,34.5 150.81,38.89 149.87,39.83 149.87,45.72 148.97,46.62 148.97,52.42 148,53.39 148,59.19 147.11,60.08 146.38,60.08 145.86,60.61 DR4.2
  Bottom w0.2: SWR4.2 v1(184.46,73.4)
Net-(DR5-Pad2): length 32.8
  Top w0.2: v1(166.46,70.77) SWR5.2 153.19,68.14 153.2,68.13 152.36,67.29 146.43,67.29 145.86,67.86 DR5.2
  Bottom w0.2: SWR5.2 v1(166.46,70.77)
Net-(DR6-Pad2): length 143.6
  Top w0.2: DR6.2 142.31,38.66 142.8,38.16 146.87,38.16 147.51,37.52 147.51,33.14 150.74,29.91 177.44,29.91 179.58,32.05 190.87,32.05 192.33,30.59 192.33,18.92 193.37,17.88 220.9,17.88 222.19,19.17 222.19,36 SWR6.2 239.41,40.26 239.96,40.81 239.96,41.83 240.86,42.73 v1(240.86,43.68)
  Bottom w0.2: SWR6.2 240.83,43.71 v1(240.86,43.68)
Net-(DR7-Pad2): length 177.7
  Top w0.2: v1(221.86,55) 221.82,55.04 SWR7.2 205.65,52.4 205.65,35.23 206.82,34.06 219.92,34.06 221.2,32.78 221.2,19.6 220.47,18.87 193.78,18.87 193.32,19.33 193.32,31 191.28,33.04 179.17,33.04 177.03,30.9 151.15,30.9 148.5,33.55 148.5,37.93 147.56,38.87 147.56,44.77 146.94,45.39 142.87,45.39 142.31,45.96 DR7.2
  Bottom w0.2: SWR7.2 222.05,55.19 v1(221.86,55)
Net-(DR8-Pad2): length 116.9
  Top w0.2: DR8.2 142.31,53.22 142.93,52.59 146.94,52.59 147.63,51.9 147.63,46.1 148.55,45.18 148.55,39.28 149.49,38.34 149.49,33.96 151.55,31.9 176.63,31.9 178.76,34.03 184.83,34.03 185.31,34.51 185.31,61.05 SWR8.2 202.43,64.92 v1(202.46,64.9)
  Bottom w0.2: SWR8.2 v1(202.46,64.9)
Net-(DR9-Pad2): length 97.9
  Top w0.2: v1(184.46,56.4) 184.37,56.49 SWR9.2 169.49,54.79 169.49,33.55 168.82,32.89 151.96,32.89 150.48,34.37 150.48,38.75 149.54,39.69 149.54,45.59 148.64,46.49 148.64,52.28 147.67,53.25 147.67,59.05 146.97,59.75 143.12,59.75 142.31,60.57 DR9.2
  Bottom w0.2: SWR9.2 v1(184.46,56.4)
Net-(DR10-Pad2): length 45.6
  Top w0.2: DR10.2 142.31,67.68 143.03,66.96 146.97,66.96 147.73,66.2 147.73,60.39 148.66,59.46 148.66,54.23 149.21,53.68 SWR10.2 166.46,53.68 v1(166.46,53.68)
  Bottom w0.2: SWR10.2 v1(166.46,53.68)
Net-(DR11-Pad2): length 130.6
  Top w0.2: v1(237.86,23.6) 237.78,23.52 SWR11.2 222.52,22.54 222.52,19.03 221.03,17.55 193.24,17.55 192,18.79 192,30.46 190.74,31.72 179.72,31.72 177.58,29.58 150.6,29.58 147.18,33 147.18,37.38 146.73,37.83 139.32,37.83 138.76,38.4 DR11.2
  Bottom w0.2: SWR11.2 237.88,23.62 v1(237.86,23.6)
Net-(DR12-Pad2): length 164.4
  Top w0.2: 206.68,38.08 205.98,37.38 205.98,35.37 206.96,34.39 220.06,34.39 221.53,32.92 221.53,19.46 220.6,18.54 220.06,18.54 193.64,18.54 192.99,19.2 192.99,30.87 191.15,32.71 190.63,32.71 179.31,32.71 177.17,30.57 151.01,30.57 148.17,33.41 148.17,37.79 147.23,38.73 147.23,44.63 146.8,45.06 139.35,45.06 138.76,45.66 DR12.2 ; SWR12.2 220.84,38.08 v1(220.86,38.1)
  Bottom w0.2: SWR12.2 220.87,38.1 v1(220.86,38.1)
Net-(DR13-Pad2): length 104
  Top w0.2: v1(202.34,48.1) 202.16,47.92 SWR13.2 185.64,44.38 185.64,34.37 184.97,33.7 178.9,33.7 176.76,31.56 162.96,31.56 162.95,31.57 151.41,31.57 149.16,33.82 149.16,38.2 148.22,39.14 148.22,45.04 147.3,45.97 147.3,51.76 146.8,52.26 139.4,52.26 138.76,52.91 DR13.2
  Bottom w0.2: SWR13.2 202.46,48.22 v1(202.34,48.1)
Net-(DR14-Pad2): length 85.2
  Top w0.2: DR14.2 138.76,60.13 139.46,59.42 146.84,59.42 147.34,58.92 147.34,53.12 148.31,52.15 148.31,46.35 149.21,45.45 149.21,39.55 150.15,38.61 150.15,34.23 151.82,32.56 168.96,32.56 169.82,33.41 169.82,38.12 SWR14.2 184.37,39.49 v1(184.46,39.4)
  Bottom w0.2: SWR14.2 v1(184.46,39.4)
Net-(DR15-Pad2): length 64.7
  Top w0.2: v1(166.46,36.66) 166.44,36.68 SWR15.2 151.63,36.68 151.14,37.17 151.14,39.02 150.2,39.96 150.2,45.86 149.3,46.76 149.3,52.56 148.33,53.53 148.33,59.33 147.4,60.26 147.4,66.06 146.84,66.63 139.48,66.63 138.76,67.36 DR15.2
  Bottom w0.2: SWR15.2 v1(166.46,36.66)
Net-(DR16-Pad2): length 31.9
  Top w0.2: SWR16.2 255.99,27.93 v1(256.06,28) ; v1(243.91,40.37) 243.91,41.54
  Bottom w0.2: SWR16.2 243.93,29.31 243.93,40.34 v1(243.91,40.37) ; 256.06,32.18 v1(256.06,28)
Net-(DR17-Pad2): length 60.7
  Top w0.2: v1(145.84,31.9) 145.86,31.91 DR17.2 ; v1(151.42,22) 151.84,22.43 172.56,22.43 SWR17.2 177.27,19.84 189.3,19.84 v1(189.48,19.66)
  Bottom w0.2: SWR17.2 189.49,19.67 v1(189.48,19.66) ; v1(145.84,31.9) 145.84,27.33 151.17,22 v1(151.42,22)
Net-(DR18-Pad2): length 50.2
  Top w0.2: v1(142.29,31.9) 142.31,31.91 DR18.2 ; v1(168.33,15.89) 168.13,16.09 158.71,16.09 SWR18.2 150.42,14.84 v1(150.4,14.86)
  Bottom w0.2: v1(168.33,15.89) 168.33,15.9 SWR18.2 ; v1(150.4,14.86) 150.59,15.04 150.59,21.65 142.29,29.95 v1(142.29,31.9)
Net-(DR19-Pad2): length 43.9
  Top w0.2: v1(138.77,31.86) 138.76,31.88 DR19.2 ; v1(148.97,10.93) 148.97,10.51 146.91,8.44 142.54,8.44 SWR19.2
  Bottom w0.2: v1(148.97,10.93) 148.97,18.69 ; v1(138.77,31.86) 136.52,29.61 136.52,21 137.04,20.48 147.19,20.48 SWR19.2

## Copper pours and planes (outline as drawn; the poured copper is in the pictures)
GND_L on Top, Bottom: 128.67,-48.11 -8.57,-48.11 -8.57,127.87 128.67,127.87
GND_R on Top, Bottom: 267.42,-48.1 130.1,-48.11 130.12,127.89 267.43,127.88

Small or netless copper shapes (teardrops, artwork), in the pictures only: 19 on Bottom

## Text on the board
B.Mask: 0.1
B.Silkscreen: R0 | R1 | R2 | R3 | C0 | C1 | TX | RST | GND | VCC | C2 | C3 | C4 | RX | BT- | BT+ | A   N O T   T H A T | S C A R Y   G E I S T | M A D E   B Y | R E V I S I O N   0 . 3 | T O T E M
User.Drawings: T O T E M
F.Silkscreen: SEEED XIAO BLE | SEEED XIAO RP2040 | RST
